# Allegro board 8880F5-0826_3.brd (continued)
## Placement (name value [footprint] x y rotation side) (continued)
NOREF#630  -  []  245.15 288.66 90 top
NOREF#631  -  []  250.73 205.56 0 top
NOREF#632  -  []  168.69 276.04 90 top
NOREF#633  -  []  210.86 201.29 90 top
NOREF#634  -  []  412.37 265.37 0 top
NOREF#635  -  []  229.51 186.66 0 top
NOREF#636  -  []  229.21 247.61 0 top
NOREF#637  -  []  167.7 178.86 90 top
NOREF#638  -  []  477.24 239.09 0 top
NOREF#639  -  []  306.92 146.05 0 top
NOREF#640  -  []  184.47 247.18 90 top
NOREF#641  -  []  392.47 272.56 90 top
NOREF#642  -  []  331.06 163.82 90 top
NOREF#643  -  []  381.74 265.11 0 top
NOREF#644  -  []  250.18 182.88 0 top
NOREF#645  -  []  250.49 223.52 90 top
NOREF#646  -  []  305.83 204.31 0 top
NOREF#647  -  []  388.35 217.36 0 top
NOREF#648  -  []  262.36 296.86 0 top
NOREF#649  -  []  414.82 297.12 0 top
NOREF#650  -  []  201.49 174.46 90 top
NOREF#651  -  []  470.71 183.57 90 top
NOREF#652  -  []  309.51 243.41 0 top
NOREF#653  -  []  101.82 287.84 90 top
NOREF#654  -  []  339.33 265.56 0 top
NOREF#655  -  []  473.79 196.21 0 top
NOREF#656  -  []  266.49 143.19 0 top
NOREF#657  -  []  468.01 214.96 0 top
NOREF#658  -  []  329.28 225.04 90 top
NOREF#659  -  []  209.23 195.52 90 top
NOREF#660  -  []  380.59 222.95 0 top
NOREF#661  -  []  175.8 201.79 90 top
NOREF#662  -  []  201.66 186.02 90 top
NOREF#663  -  []  332.51 265.56 0 top
NOREF#664  -  []  201.66 227.17 90 top
NOREF#665  -  []  248.33 247.93 0 top
NOREF#666  -  []  250.73 265.56 90 top
NOREF#667  -  []  387.39 249.11 0 top
NOREF#668  -  []  167.7 229.07 90 top
NOREF#669  -  []  318.3 164.74 90 top
NOREF#670  -  []  165.8 240.28 0 top
NOREF#671  -  []  383.09 257.11 0 top
NOREF#672  -  []  167.7 233.47 90 top
NOREF#673  -  []  326.43 288.41 90 top
NOREF#674  -  []  184.47 147.28 90 top
NOREF#675  -  []  106.36 190.55 0 top
NOREF#676  -  []  168.69 273.5 90 top
NOREF#677  -  []  218.13 274.06 90 top
NOREF#678  -  []  314.55 286.96 0 top
NOREF#679  -  []  310.43 186.34 0 top
NOREF#680  -  []  259.59 133.29 90 top
NOREF#681  -  []  259.33 265.56 0 top
NOREF#682  -  []  265.81 288.86 0 top
NOREF#683  -  []  223.15 271.32 90 top
NOREF#684  -  []  295.96 237.06 0 top
NOREF#685  -  []  377.48 289.17 90 top
NOREF#686  -  []  449.99 174.46 0 top
NOREF#687  -  []  352.55 249.5 0 top
NOREF#688  -  []  413.71 178.82 0 top
NOREF#689  -  []  375.73 193.43 90 top
NOREF#690  -  []  313.98 131.19 90 top
NOREF#691  -  []  413.71 148.15 90 top
NOREF#692  -  []  209.49 182.06 90 top
NOREF#693  -  []  285.71 280.1 0 top
NOREF#694  -  []  473.79 191.06 90 top
NOREF#695  -  []  342.36 165.04 90 top
NOREF#696  -  []  377.23 273.11 0 top
NOREF#697  -  []  211.11 146.93 90 top
NOREF#698  -  []  167.7 178.86 90 top
NOREF#699  -  []  93.76 287.84 90 top
NOREF#700  -  []  403.41 209.61 0 top
NOREF#701  -  []  423.61 188.92 90 top
NOREF#702  -  []  319.33 176.03 90 top
NOREF#703  -  []  399.67 131.89 0 top
NOREF#704  -  []  402.14 146.88 0 top
NOREF#705  -  []  177.33 133.47 90 top
NOREF#706  -  []  166.06 148.4 90 top
NOREF#707  -  []  380.59 271.21 0 top
NOREF#708  -  []  405.93 224.56 90 top
NOREF#709  -  []  260.6 286.96 90 top
NOREF#710  -  []  303.47 154.05 0 top
NOREF#711  -  []  376.23 209.11 0 top
NOREF#712  -  []  473.7 219.66 90 top
NOREF#713  -  []  251.62 205.56 0 top
NOREF#714  -  []  392.04 289.12 90 top
NOREF#715  -  []  308.36 262.16 45 top
NOREF#716  -  []  230.73 253.69 0 top
NOREF#717  -  []  259.33 205.56 0 top
NOREF#718  -  []  209.49 148.63 90 top
NOREF#719  -  []  451.68 239.34 0 top
NOREF#720  -  []  124.35 187.53 0 top
NOREF#721  -  []  124.1 231.22 0 top
NOREF#722  -  []  297.83 174.63 90 top
NOREF#723  -  []  377.23 241.16 90 top
NOREF#724  -  []  392.24 194.78 90 top
NOREF#725  -  []  182.82 203.01 90 top
NOREF#726  -  []  351.34 181.37 0 top
NOREF#727  -  []  167.7 206.29 90 top
NOREF#728  -  []  272.24 182.32 90 top
NOREF#729  -  []  209.23 216.45 90 top
NOREF#730  -  []  247.57 264.65 90 top
NOREF#731  -  []  167.7 165.4 90 top
NOREF#732  -  []  559.43 297.18 90 top
NOREF#733  -  []  201.21 273.5 90 top
NOREF#734  -  []  257.9 186.99 0 top
NOREF#735  -  []  230.41 188.88 90 top
NOREF#736  -  []  330.74 164.74 0 top
NOREF#737  -  []  271.04 241.69 0 top
NOREF#738  -  []  388.43 146.88 0 top
NOREF#739  -  []  289.01 272.1 0 top
NOREF#740  -  []  259.65 264.65 90 top
NOREF#741  -  []  256.45 224.74 0 top
NOREF#742  -  []  331.38 164.74 90 top
NOREF#743  -  []  423.61 182.42 90 top
NOREF#744  -  []  406.95 131.44 90 top
NOREF#745  -  []  399.39 161.74 0 top
NOREF#746  -  []  352.24 243.59 90 top
NOREF#747  -  []  451.68 239.34 0 top
NOREF#748  -  []  177.33 146.68 90 top
NOREF#749  -  []  419.73 131.89 90 top
NOREF#750  -  []  199.33 226.57 90 top
NOREF#751  -  []  106.03 217.88 90 top
NOREF#752  -  []  405.93 224.66 90 top
NOREF#753  -  []  351.04 189.82 0 top
NOREF#754  -  []  118.33 273.87 90 top
NOREF#755  -  []  300.01 288.41 90 top
NOREF#756  -  []  192.47 154.88 90 top
NOREF#757  -  []  229.51 189.2 0 top
NOREF#758  -  []  215.96 177.06 0 top
NOREF#759  -  []  424.55 146.88 90 top
NOREF#760  -  []  175.7 191.22 90 top
NOREF#761  -  []  201.4 254.6 90 top
NOREF#762  -  []  272.25 189.82 0 top
NOREF#763  -  []  177.33 173.86 90 top
NOREF#764  -  []  284.77 288.86 0 top
NOREF#765  -  []  239.33 236.03 0 top
NOREF#766  -  []  450.03 210.36 0 top
NOREF#767  -  []  343.63 163.82 90 top
NOREF#768  -  []  398.65 257.37 0 top
NOREF#769  -  []  298.16 237.06 0 top
NOREF#770  -  []  238.45 257.01 0 top
NOREF#771  -  []  184.47 260.9 90 top
NOREF#772  -  []  384.17 163.39 90 top
NOREF#773  -  []  298.13 214.06 90 top
NOREF#774  -  []  310.43 246.34 90 top
NOREF#775  -  []  116.27 178.64 0 top
NOREF#776  -  []  167.7 227.72 0 top
NOREF#777  -  []  396.28 146.93 90 top
NOREF#778  -  []  303.26 139.64 0 top
NOREF#779  -  []  184.47 244.98 90 top
NOREF#780  -  []  314.19 145.5 90 top
NOREF#781  -  []  385.19 273.11 0 top
NOREF#782  -  []  201.49 163.2 90 top
NOREF#783  -  []  165.8 171.96 0 top
NOREF#784  -  []  352.25 244.86 90 top
NOREF#785  -  []  249.85 224.72 0 top
NOREF#786  -  []  108.01 222.33 0 top
NOREF#787  -  []  415.61 181.32 90 top
NOREF#788  -  []  175.8 187.82 90 top
NOREF#789  -  []  331.62 205.56 90 top
NOREF#790  -  []  259.65 265.86 90 top
NOREF#791  -  []  495.08 259.9 90 top
NOREF#792  -  []  310.43 248.88 0 top
NOREF#793  -  []  168.13 172.56 90 top
NOREF#794  -  []  192.57 256.4 90 top
NOREF#795  -  []  336.45 164.74 0 top
NOREF#796  -  []  405.51 209.61 0 top
NOREF#797  -  []  263.71 288.86 0 top
NOREF#798  -  []  406.52 131.89 90 top
NOREF#799  -  []  383.09 224.85 0 top
NOREF#800  -  []  184.47 215.35 90 top
NOREF#801  -  []  84.04 290.38 90 top
NOREF#802  -  []  167.7 214 0 top
NOREF#803  -  []  247.57 264.65 90 top
NOREF#804  -  []  201.23 217.55 90 top
NOREF#805  -  []  113.08 129.54 0 top
NOREF#806  -  []  375.22 180.15 0 top
NOREF#807  -  []  352.24 241.05 90 top
NOREF#808  -  []  259.45 288.86 90 top
NOREF#809  -  []  387.08 154.88 0 top
NOREF#810  -  []  310.73 243.41 0 top
NOREF#811  -  []  184.89 227.17 90 top
NOREF#812  -  []  475.04 195.66 0 top
NOREF#813  -  []  235.85 288.61 90 top
NOREF#814  -  []  283.21 270.2 90 top
NOREF#815  -  []  332.61 288.86 0 top
NOREF#816  -  []  411.26 179.7 90 top
NOREF#817  -  []  201.23 200.54 0 top
NOREF#818  -  []  384.36 131.89 0 top
NOREF#819  -  []  118.7 195.7 0 top
NOREF#820  -  []  330.74 224.72 0 top
NOREF#821  -  []  304.61 131.64 0 top
NOREF#822  -  []  390.69 257.11 0 top
NOREF#823  -  []  396.55 273.11 0 top
NOREF#824  -  []  241.6 296.61 0 top
NOREF#825  -  []  337.9 186.99 0 top
NOREF#826  -  []  247.78 132.14 90 top
NOREF#827  -  []  378.33 257.11 90 top
NOREF#828  -  []  419.47 273.37 90 top
NOREF#829  -  []  378.75 240.66 90 top
NOREF#830  -  []  117.26 190.55 90 top
NOREF#831  -  []  230.43 186.34 90 top
NOREF#832  -  []  254.29 205.56 0 top
NOREF#833  -  []  251.54 192.73 90 top
NOREF#834  -  []  351.04 242.96 0 top
NOREF#835  -  []  475.04 195.66 0 top
NOREF#836  -  []  310.43 248.88 90 top
NOREF#837  -  []  400.85 233.11 0 top
NOREF#838  -  []  319.33 183.63 90 top
NOREF#839  -  []  424.05 163.64 90 top
NOREF#840  -  []  465.81 171.53 0 top
NOREF#841  -  []  328.96 224.72 0 top
NOREF#842  -  []  272.55 242.64 0 top
NOREF#843  -  []  301.56 182.89 0 top
NOREF#844  -  []  331.22 193.63 0 top
NOREF#845  -  []  247.89 204.35 90 top
NOREF#846  -  []  451.64 179.06 0 top
NOREF#847  -  []  237.66 224.72 0 top
NOREF#848  -  []  412.88 139.89 0 top
NOREF#849  -  []  182.57 254 90 top
NOREF#850  -  []  201.23 192.32 90 top
NOREF#851  -  []  465.81 214.96 0 top
NOREF#852  -  []  251.05 205.86 90 top
NOREF#853  -  []  419.9 288.57 90 top
NOREF#854  -  []  327.25 205.55 0 top
NOREF#855  -  []  238.3 288.61 0 top
NOREF#856  -  []  249.15 296.86 0 top
NOREF#857  -  []  272.25 182.96 0 top
NOREF#858  -  []  192.57 215.25 90 top
NOREF#859  -  []  127.99 214.79 0 top
NOREF#860  -  []  459.28 183.57 0 top
NOREF#861  -  []  478.57 291.28 90 top
NOREF#862  -  []  230.73 246.66 0 top
NOREF#863  -  []  300.11 273.24 90 top
NOREF#864  -  []  472.86 174.55 90 top
NOREF#865  -  []  118.7 195.7 0 top
NOREF#866  -  []  310.83 164.63 0 top
NOREF#867  -  []  167.7 256.5 90 top
NOREF#868  -  []  342.36 223.82 90 top
NOREF#869  -  []  400.85 281.11 0 top
NOREF#870  -  []  167.7 138.47 90 top
NOREF#871  -  []  485.36 259.9 90 top
NOREF#872  -  []  127.55 219.13 90 top
NOREF#873  -  []  230.43 246.34 0 top
NOREF#874  -  []  309.51 249.2 0 top
NOREF#875  -  []  251.62 204.35 90 top
NOREF#876  -  []  342.63 296.86 0 top
NOREF#877  -  []  250.17 225.04 90 top
NOREF#878  -  []  119.7 238.84 0 top
NOREF#879  -  []  304.82 146.05 0 top
NOREF#880  -  []  405.93 256.82 90 top
NOREF#881  -  []  277.17 288.86 0 top
NOREF#882  -  []  380.59 287.22 0 top
NOREF#883  -  []  165.8 158.5 90 top
NOREF#884  -  []  251.06 165.04 90 top
NOREF#885  -  []  84.04 287.84 90 top
NOREF#886  -  []  249.6 164.74 90 top
NOREF#887  -  []  346.69 128.87 90 top
NOREF#888  -  []  192.47 259.8 90 top
NOREF#889  -  []  98.53 238.84 0 top
NOREF#890  -  []  310.43 248.88 90 top
NOREF#891  -  []  105.83 190.55 90 top
NOREF#892  -  []  332.83 265.86 90 top
NOREF#893  -  []  410.27 257.37 0 top
NOREF#894  -  []  272.55 182.64 0 top
NOREF#895  -  []  425.7 144.98 90 top
NOREF#896  -  []  310.43 253.37 0 top
NOREF#897  -  []  327.25 264.35 90 top
NOREF#898  -  []  317.66 164.72 0 top
NOREF#899  -  []  340.83 234.63 90 top
NOREF#900  -  []  378.33 241.11 90 top
NOREF#901  -  []  119.7 231.22 0 top
NOREF#902  -  []  115.61 191.95 0 top
NOREF#903  -  []  376.23 209.11 0 top
NOREF#904  -  []  317.98 165.04 90 top
NOREF#905  -  []  318.45 257.01 0 top
NOREF#906  -  []  395.67 133.16 90 top
NOREF#907  -  []  310.41 186.34 90 top
NOREF#908  -  []  405.93 272.56 90 top
NOREF#909  -  []  229.05 211.67 0 top
NOREF#910  -  []  167.7 187.92 90 top
NOREF#911  -  []  192.47 205.19 90 top
NOREF#912  -  []  410.84 180.15 90 top
NOREF#913  -  []  263.95 223.52 90 top
NOREF#914  -  []  317.98 163.82 90 top
NOREF#915  -  []  122.41 178.64 0 top
NOREF#916  -  []  201.23 242.78 90 top
NOREF#917  -  []  465.31 186.77 0 top
NOREF#918  -  []  290.11 280.1 0 top
NOREF#919  -  []  263.85 273.37 90 top
NOREF#920  -  []  295.96 177.06 0 top
NOREF#921  -  []  118.7 217.73 90 top
NOREF#922  -  []  336.77 223.82 90 top
NOREF#923  -  []  192.47 246.08 90 top
NOREF#924  -  []  247.25 204.35 90 top
NOREF#925  -  []  322.23 173.13 90 top
NOREF#926  -  []  415.1 163.64 0 top
NOREF#927  -  []  343.95 163.52 90 top
NOREF#928  -  []  200.98 255.15 0 top
NOREF#929  -  []  336.77 163.82 90 top
NOREF#930  -  []  337.9 246.99 0 top
NOREF#931  -  []  201.91 159.1 90 top
NOREF#932  -  []  383.09 224.85 0 top
NOREF#933  -  []  463.61 179.15 0 top
NOREF#934  -  []  327.89 264.35 90 top
NOREF#935  -  []  201.49 178.86 90 top
NOREF#936  -  []  118.99 171.65 0 top
NOREF#937  -  []  352.25 244.23 0 top
NOREF#938  -  []  166.06 230.19 90 top
NOREF#939  -  []  253.4 204.35 90 top
NOREF#940  -  []  192.47 195.52 90 top
NOREF#941  -  []  331.94 264.65 90 top
NOREF#942  -  []  453.84 179.06 0 top
NOREF#943  -  []  418.37 241.16 90 top
NOREF#944  -  []  393.19 239.21 90 top
NOREF#945  -  []  230.41 243.09 90 top
NOREF#946  -  []  127.84 167.9 90 top
NOREF#947  -  []  318.32 131.64 0 top
NOREF#948  -  []  199.08 254 0 top
NOREF#949  -  []  460.93 225.6 90 top
NOREF#950  -  []  475.04 239.09 0 top
NOREF#951  -  []  107.02 179.19 0 top
NOREF#952  -  []  271.56 134.74 90 top
NOREF#953  -  []  11.6 261.68 90 top
NOREF#954  -  []  230.43 247.61 0 top
NOREF#955  -  []  381.2 226.12 90 top
NOREF#956  -  []  384.36 131.89 0 top
NOREF#957  -  []  400.34 194.68 90 top
NOREF#958  -  []  247.89 264.35 90 top
NOREF#959  -  []  273.59 272.15 90 top
NOREF#960  -  []  167.7 163.2 90 top
NOREF#961  -  []  367.13 271.21 0 top
NOREF#962  -  []  175.7 177.76 90 top
NOREF#963  -  []  228.36 262.16 45 top
NOREF#964  -  []  385.19 232.85 0 top
NOREF#965  -  []  184.47 204.09 90 top
NOREF#966  -  []  167.7 132.72 0 top
NOREF#967  -  []  247.57 204.65 90 top
NOREF#968  -  []  320.94 151.63 90 top
NOREF#969  -  []  423.2 146.88 0 top
NOREF#970  -  []  326.23 173.13 0 top
NOREF#971  -  []  391.8 217.36 0 top
NOREF#972  -  []  468.68 129.54 0 top
NOREF#973  -  []  518.38 276.41 90 top
NOREF#974  -  []  122.15 222.33 0 top
NOREF#975  -  []  339.33 265.55 0 top
NOREF#976  -  []  115.36 235.64 90 top
NOREF#977  -  []  451.68 214.96 0 top
NOREF#978  -  []  312.79 288.86 90 top
NOREF#979  -  []  184.47 241.43 90 top
NOREF#980  -  []  375.22 163.39 0 top
NOREF#981  -  []  229.21 243.09 0 top
NOREF#982  -  []  263.31 164.74 0 top
NOREF#983  -  []  120.24 171.1 0 top
NOREF#984  -  []  403.99 180.15 0 top
NOREF#985  -  []  167.7 241.43 90 top
NOREF#986  -  []  396.55 289.12 0 top
NOREF#987  -  []  382.82 163.39 0 top
NOREF#988  -  []  229.51 246.66 0 top
NOREF#989  -  []  456.08 186.77 0 top
NOREF#990  -  []  115.61 211.51 90 top
NOREF#991  -  []  250.73 264.35 90 top
NOREF#992  -  []  410.52 241.11 0 top
NOREF#993  -  []  230.83 224.63 0 top
NOREF#994  -  []  390.53 188.15 0 top
NOREF#995  -  []  199.59 171.96 0 top
NOREF#996  -  []  182.57 158.5 0 top
NOREF#997  -  []  215.96 188.49 0 top
NOREF#998  -  []  208.98 259.8 90 top
NOREF#999  -  []  511.59 259.9 90 top
NOREF#1000  -  []  271.04 181.69 0 top
NOREF#1001  -  []  309.21 243.09 0 top
NOREF#1002  -  []  251.05 264.65 90 top
NOREF#1003  -  []  119.7 238.84 0 top
NOREF#1004  -  []  128.24 171.1 0 top
NOREF#1005  -  []  351.04 184.23 0 top
NOREF#1006  -  []  481.96 276.41 90 top
NOREF#1007  -  []  419.22 257.37 90 top
NOREF#1008  -  []  376.98 257.11 0 top
NOREF#1009  -  []  257.09 164.74 90 top
NOREF#1010  -  []  402.06 217.61 0 top
NOREF#1011  -  []  299.81 273.69 90 top
NOREF#1012  -  []  184.89 240.88 90 top
NOREF#1013  -  []  297.41 213.24 0 top
NOREF#1014  -  []  376.23 209.11 0 top
NOREF#1015  -  []  250.17 163.82 90 top
NOREF#1016  -  []  518.38 259.9 90 top
NOREF#1017  -  []  369.38 241.11 0 top
NOREF#1018  -  []  396.55 225.11 0 top
NOREF#1019  -  []  394.66 290.39 90 top
NOREF#1020  -  []  401.87 139.89 0 top
NOREF#1021  -  []  249.6 224.74 90 top
NOREF#1022  -  []  373.68 232.6 0 top
NOREF#1023  -  []  241.82 167.13 90 top
NOREF#1024  -  []  387.39 281.11 0 top
NOREF#1025  -  []  320.83 194.63 0 top
NOREF#1026  -  []  310.43 193.37 0 top
NOREF#1027  -  []  328.33 187.93 0 top
NOREF#1028  -  []  410.78 131.89 0 top
NOREF#1029  -  []  118.74 215.34 0 top
NOREF#1030  -  []  237.66 164.74 0 top
NOREF#1031  -  []  112.67 171.02 0 top
NOREF#1032  -  []  327.7 131.09 90 top
NOREF#1033  -  []  194.09 201.29 90 top
NOREF#1034  -  []  271.34 249.5 0 top
NOREF#1035  -  []  397.8 179.7 90 top
NOREF#1036  -  []  342.04 224.72 0 top
NOREF#1037  -  []  403.99 171.64 0 top
NOREF#1038  -  []  478.57 259.9 90 top
NOREF#1039  -  []  230.41 247.61 90 top
NOREF#1040  -  []  94.68 234.24 0 top
NOREF#1041  -  []  127.55 191.95 90 top
NOREF#1042  -  []  184.47 176.66 90 top
NOREF#1043  -  []  472.86 210.36 90 top
NOREF#1044  -  []  405.42 131.94 90 top
NOREF#1045  -  []  404.4 225.16 90 top
NOREF#1046  -  []  298.13 274.06 90 top
NOREF#1047  -  []  272.25 181.05 90 top
NOREF#1048  -  []  201.21 290.01 90 top
NOREF#1049  -  []  103.93 235.64 0 top
NOREF#1050  -  []  272.25 185.5 0 top
NOREF#1051  -  []  387.8 210.63 90 top
NOREF#1052  -  []  184.47 258.7 90 top
NOREF#1053  -  []  414.82 281.37 0 top
NOREF#1054  -  []  184.47 165.4 90 top
NOREF#1055  -  []  271.04 184.23 0 top
NOREF#1056  -  []  343.98 288.86 0 top
NOREF#1057  -  []  390.34 192.28 90 top
NOREF#1058  -  []  384.17 180.15 90 top
NOREF#1059  -  []  334.61 264.65 90 top
NOREF#1060  -  []  127.7 231.22 0 top
NOREF#1061  -  []  257.08 132.19 90 top
NOREF#1062  -  []  253.4 265.56 90 top
NOREF#1063  -  []  423.61 184.62 90 top
NOREF#1064  -  []  329.6 224.74 90 top
NOREF#1065  -  []  385.36 194.18 90 top
NOREF#1066  -  []  175.7 250.38 90 top
NOREF#1067  -  []  319.15 288.86 0 top
NOREF#1068  -  []  310.43 247.61 90 top
NOREF#1069  -  []  451.68 230.2 0 top
NOREF#1070  -  []  230.43 193.37 90 top
NOREF#1071  -  []  309.51 186.66 0 top
NOREF#1072  -  []  256.73 132.14 0 top
NOREF#1073  -  []  110.21 214.71 0 top
NOREF#1074  -  []  184.47 186.57 90 top
NOREF#1075  -  []  384.59 179.6 90 top
NOREF#1076  -  []  209.59 147.43 90 top
NOREF#1077  -  []  175.7 137.37 90 top
NOREF#1078  -  []  254.61 265.86 90 top
NOREF#1079  -  []  115.61 191.95 90 top
NOREF#1080  -  []  415.6 146.88 0 top
NOREF#1081  -  []  463.61 222.58 0 top
NOREF#1082  -  []  377.48 273.16 90 top
NOREF#1083  -  []  107.02 174.04 90 top
NOREF#1084  -  []  369.38 241.11 0 top
NOREF#1085  -  []  201.91 145.63 90 top
NOREF#1086  -  []  346.27 129.42 0 top
NOREF#1087  -  []  106.11 234.24 0 top
NOREF#1088  -  []  313.94 286.96 90 top
NOREF#1089  -  []  105.58 234.24 90 top
NOREF#1090  -  []  413.96 182.44 90 top
NOREF#1091  -  []  271.04 182.96 0 top
NOREF#1092  -  []  460.93 234.74 90 top
NOREF#1093  -  []  329.28 223.82 90 top
NOREF#1094  -  []  184.47 219.75 90 top
NOREF#1095  -  []  218.16 177.06 0 top
NOREF#1096  -  []  238.3 163.52 90 top
NOREF#1097  -  []  352.25 242.96 0 top
NOREF#1098  -  []  251.06 223.82 90 top
NOREF#1099  -  []  184.89 159.1 90 top
NOREF#1100  -  []  265.39 135.19 0 top
NOREF#1101  -  []  215.96 237.06 0 top
NOREF#1102  -  []  313.77 146.05 90 top
NOREF#1103  -  []  247.25 265.55 0 top
NOREF#1104  -  []  192.47 232.37 90 top
NOREF#1105  -  []  272.25 184.86 90 top
NOREF#1106  -  []  410.52 289.12 0 top
NOREF#1107  -  []  351.04 182.96 0 top
NOREF#1108  -  []  253.72 204.65 90 top
NOREF#1109  -  []  271.56 288.91 90 top
NOREF#1110  -  []  221.56 250.49 0 top
NOREF#1111  -  []  201.23 206.29 90 top
NOREF#1112  -  []  394.05 287.22 0 top
NOREF#1113  -  []  451.68 230.2 0 top
NOREF#1114  -  []  184.47 178.86 90 top
NOREF#1115  -  []  470.79 128.27 0 top
NOREF#1116  -  []  275.12 271.65 90 top
NOREF#1117  -  []  329.6 164.74 90 top
NOREF#1118  -  []  461.96 166.93 0 top
NOREF#1119  -  []  264.72 272.65 90 top
NOREF#1120  -  []  192.47 168.6 90 top
NOREF#1121  -  []  209.08 256.4 90 top
NOREF#1122  -  []  331.94 205.86 90 top
NOREF#1123  -  []  258.2 186.67 0 top
NOREF#1124  -  []  401.87 194.18 90 top
NOREF#1125  -  []  107.02 166.42 90 top
NOREF#1126  -  []  127.59 211.59 90 top
NOREF#1127  -  []  263.31 164.72 0 top
NOREF#1128  -  []  409.99 146.93 90 top
NOREF#1129  -  []  260.83 174.63 90 top
NOREF#1130  -  []  320.83 254.63 0 top
NOREF#1131  -  []  407.77 255.47 0 top
NOREF#1132  -  []  175.7 135.17 90 top
NOREF#1133  -  []  328.33 247.93 0 top
NOREF#1134  -  []  453.88 230.2 0 top
NOREF#1135  -  []  116.01 222.33 0 top
NOREF#1136  -  []  415.6 146.88 0 top
NOREF#1137  -  []  199.33 226.57 0 top
NOREF#1138  -  []  253.4 265.56 0 top
NOREF#1139  -  []  192.47 150.58 90 top
NOREF#1140  -  []  209.33 228.97 90 top
NOREF#1141  -  []  124.35 222.33 0 top
NOREF#1142  -  []  410.84 163.64 90 top
NOREF#1143  -  []  175.7 168.6 90 top
NOREF#1144  -  []  373.83 192.28 0 top
NOREF#1145  -  []  300.36 248.49 0 top
NOREF#1146  -  []  240.94 151.63 90 top
NOREF#1147  -  []  283.21 282 0 top
NOREF#1148  -  []  281.47 296.86 0 top
NOREF#1149  -  []  104.18 191.95 90 top
NOREF#1150  -  []  201.66 199.99 90 top
NOREF#1151  -  []  167.7 247.18 90 top
NOREF#1152  -  []  184.47 187.92 90 top
NOREF#1153  -  []  271.34 245.18 0 top
NOREF#1154  -  []  182.82 175.58 90 top
NOREF#1155  -  []  106.76 222.88 0 top
NOREF#1156  -  []  253.72 205.86 90 top
NOREF#1157  -  []  330.73 204.35 90 top
NOREF#1158  -  []  230.43 186.34 0 top
NOREF#1159  -  []  201.23 192.32 90 top
NOREF#1160  -  []  215.96 248.49 0 top
NOREF#1161  -  []  259.33 204.35 90 top
NOREF#1162  -  []  381.74 232.85 0 top
NOREF#1163  -  []  166.06 189.04 90 top
NOREF#1164  -  []  283.91 273.37 90 top
NOREF#1165  -  []  320.42 139.64 0 top
NOREF#1166  -  []  201.23 241.43 0 top
NOREF#1167  -  []  528.1 257.36 90 top
NOREF#1168  -  []  184.47 206.29 90 top
NOREF#1169  -  []  175.8 256.4 90 top
NOREF#1170  -  []  201.49 165.4 90 top
NOREF#1171  -  []  495.08 274.77 90 top
NOREF#1172  -  []  177.33 242.18 90 top
NOREF#1173  -  []  271.04 242.96 0 top
NOREF#1174  -  []  252.51 265.55 0 top
NOREF#1175  -  []  346.27 135.17 90 top
NOREF#1176  -  []  408.28 129.99 0 top
NOREF#1177  -  []  401.89 180.15 0 top
NOREF#1178  -  []  415.61 179.97 90 top
NOREF#1179  -  []  310.43 253.37 90 top
NOREF#1180  -  []  251.38 163.52 90 top
NOREF#1181  -  []  282.9 147.38 0 top
NOREF#1182  -  []  168.13 145.38 90 top
NOREF#1183  -  []  424.98 146.43 90 top
NOREF#1184  -  []  329.85 164.72 0 top
NOREF#1185  -  []  310.41 188.88 90 top
NOREF#1186  -  []  271.04 249.82 0 top
NOREF#1187  -  []  230.83 164.63 0 top
NOREF#1188  -  []  352.55 241.37 0 top
NOREF#1189  -  []  184.47 260.9 90 top
NOREF#1190  -  []  184.47 233.47 90 top
NOREF#1191  -  []  343.31 224.74 0 top
NOREF#1192  -  []  209.49 162.1 90 top
NOREF#1193  -  []  518.38 257.36 90 top
NOREF#1194  -  []  337.09 224.74 90 top
NOREF#1195  -  []  272.55 245.18 0 top
NOREF#1196  -  []  167.7 260.9 90 top
NOREF#1197  -  []  272.24 189.18 90 top
NOREF#1198  -  []  379.01 272.66 90 top
NOREF#1199  -  []  468.85 259.9 90 top
NOREF#1200  -  []  336.77 225.04 90 top
NOREF#1201  -  []  295.96 248.49 0 top
NOREF#1202  -  []  272.24 181.05 90 top
NOREF#1203  -  []  424.47 163.09 90 top
NOREF#1204  -  []  330.17 163.82 90 top
NOREF#1205  -  []  250.49 164.74 90 top
NOREF#1206  -  []  112.67 178.64 0 top
NOREF#1207  -  []  168.13 254.6 90 top
NOREF#1208  -  []  177.33 214.75 90 top
NOREF#1209  -  []  383.09 241.11 0 top
NOREF#1210  -  []  263.19 135.19 0 top
NOREF#1211  -  []  167.7 151.68 90 top
NOREF#1212  -  []  127.95 187.53 0 top
NOREF#1213  -  []  475.36 127 90 top
NOREF#1214  -  []  234.7 286.71 90 top
NOREF#1215  -  []  127.55 184.33 90 top
NOREF#1216  -  []  98.78 195.15 0 top
NOREF#1217  -  []  485.36 292.02 90 top
NOREF#1218  -  []  297.71 276.09 0 top
NOREF#1219  -  []  385.93 178.25 0 top
NOREF#1220  -  []  217.71 276.09 0 top
NOREF#1221  -  []  344.62 131.89 90 top
NOREF#1222  -  []  449.99 174.46 0 top
NOREF#1223  -  []  309.21 248.88 0 top
NOREF#1224  -  []  239.33 236.03 90 top
NOREF#1225  -  []  310.43 187.61 0 top
NOREF#1226  -  []  331.54 252.73 90 top
NOREF#1227  -  []  266.49 143.19 0 top
NOREF#1228  -  []  343.95 223.52 90 top
NOREF#1229  -  []  286.81 272.1 0 top
NOREF#1230  -  []  247.25 205.55 0 top
NOREF#1231  -  []  392.04 273.11 90 top
NOREF#1232  -  []  261.82 290.13 90 top
NOREF#1233  -  []  371.73 273.11 0 top
NOREF#1234  -  []  368.03 232.6 0 top
NOREF#1235  -  []  346.27 129.42 90 top
NOREF#1236  -  []  463.11 230.2 0 top
NOREF#1237  -  []  351.34 242.64 0 top
NOREF#1238  -  []  412.62 297.12 0 top
NOREF#1239  -  []  209.23 202.99 90 top
NOREF#1240  -  []  226.44 294.64 90 top
NOREF#1241  -  []  254.29 265.56 90 top
NOREF#1242  -  []  119.95 222.33 0 top
NOREF#1243  -  []  459.28 211.76 90 top
NOREF#1244  -  []  184.47 231.27 90 top
NOREF#1245  -  []  272.25 189.18 90 top
NOREF#1246  -  []  167.7 260.9 90 top
NOREF#1247  -  []  218.13 214.06 0 top
NOREF#1248  -  []  229.21 188.88 0 top
NOREF#1249  -  []  417.2 171.64 0 top
NOREF#1250  -  []  463.61 214.96 0 top
NOREF#1251  -  []  415.61 179.97 0 top
NOREF#1252  -  []  482.64 235.89 90 top
NOREF#1253  -  []  383.09 289.12 0 top
NOREF#1254  -  []  66.26 271.33 90 top
NOREF#1255  -  []  368.28 281.11 0 top
NOREF#1256  -  []  272.24 242.32 90 top
NOREF#1257  -  []  390.94 224.9 90 top
NOREF#1258  -  []  108.27 171.02 0 top
NOREF#1259  -  []  119.95 195.15 0 top
NOREF#1260  -  []  459.28 168.33 0 top
NOREF#1261  -  []  389.7 209.36 0 top
NOREF#1262  -  []  304.82 146.05 0 top
NOREF#1263  -  []  209.23 205.19 90 top
NOREF#1264  -  []  351.34 241.37 0 top
NOREF#1265  -  []  297.71 216.09 0 top
NOREF#1266  -  []  192.57 201.79 90 top
NOREF#1267  -  []  384.59 162.84 90 top
NOREF#1268  -  []  317.05 288.86 0 top
NOREF#1269  -  []  112.16 238.84 0 top
NOREF#1270  -  []  230.43 188.88 0 top
NOREF#1271  -  []  215.96 188.49 0 top
NOREF#1272  -  []  381.2 290.39 90 top
NOREF#1273  -  []  251.38 164.74 90 top
NOREF#1274  -  []  247.25 265.56 0 top
NOREF#1275  -  []  118.96 179.19 0 top
NOREF#1276  -  []  369.38 257.11 0 top
NOREF#1277  -  []  172.08 289.11 90 top
NOREF#1278  -  []  221.56 179.06 0 top
NOREF#1279  -  []  453.88 195.91 0 top
NOREF#1280  -  []  117.33 247.35 90 top
NOREF#1281  -  []  107.18 246.83 90 top
NOREF#1282  -  []  419.9 288.67 90 top
NOREF#1283  -  []  263.95 164.74 90 top
NOREF#1284  -  []  396.55 273.11 0 top
NOREF#1285  -  []  230.43 187.61 90 top
NOREF#1286  -  []  242.23 173.13 90 top
NOREF#1287  -  []  277.17 288.86 0 top
NOREF#1288  -  []  199.59 145.03 90 top
NOREF#1289  -  []  341.63 233.83 90 top
NOREF#1290  -  []  459.24 175.86 90 top
NOREF#1291  -  []  420.37 255.47 90 top
NOREF#1292  -  []  381.74 281.11 0 top
NOREF#1293  -  []  304.65 271.67 0 top
NOREF#1294  -  []  218.16 237.06 0 top
NOREF#1295  -  []  254.29 205.55 0 top
NOREF#1296  -  []  310.41 243.09 90 top
NOREF#1297  -  []  104.18 191.95 0 top
NOREF#1298  -  []  115.61 219.13 90 top
NOREF#1299  -  []  369.38 257.11 0 top
NOREF#1300  -  []  371.48 224.6 0 top
NOREF#1301  -  []  392.47 256.56 90 top
NOREF#1302  -  []  379.48 222.7 90 top
NOREF#1303  -  []  459.28 192.71 90 top
NOREF#1304  -  []  308.36 202.16 45 top
NOREF#1305  -  []  284.36 272.1 90 top
NOREF#1306  -  []  528.1 276.41 90 top
NOREF#1307  -  []  463.61 214.96 0 top
NOREF#1308  -  []  272.55 185.18 0 top
NOREF#1309  -  []  368.03 249.11 0 top
NOREF#1310  -  []  461.86 182.17 90 top
NOREF#1311  -  []  390.69 224.85 0 top
NOREF#1312  -  []  367.73 290.39 90 top
NOREF#1313  -  []  327.25 265.55 0 top
NOREF#1314  -  []  401.89 163.64 0 top
NOREF#1315  -  []  317.66 164.74 0 top
NOREF#1316  -  []  167.7 176.66 90 top
NOREF#1317  -  []  328.62 290.13 90 top
NOREF#1318  -  []  107.76 238.84 0 top
NOREF#1319  -  []  471.21 168.33 0 top
NOREF#1320  -  []  297.83 234.63 90 top
NOREF#1321  -  []  383.09 241.11 0 top
NOREF#1322  -  []  106.11 234.24 0 top
NOREF#1323  -  []  395.2 297.12 0 top
NOREF#1324  -  []  465.45 290.38 90 top
NOREF#1325  -  []  259.65 205.86 90 top
NOREF#1326  -  []  310.43 243.09 90 top
NOREF#1327  -  []  456.08 239.34 0 top
NOREF#1328  -  []  240.94 211.63 90 top
NOREF#1329  -  []  319.33 236.03 0 top
NOREF#1330  -  []  387.2 207.46 0 top
NOREF#1331  -  []  379.01 288.67 90 top
NOREF#1332  -  []  463.11 186.77 0 top
NOREF#1333  -  []  423.71 181.22 90 top
NOREF#1334  -  []  396.22 139.89 0 top
NOREF#1335  -  []  257.09 223.52 90 top
NOREF#1336  -  []  383.09 289.12 0 top
NOREF#1337  -  []  315.82 129.74 0 top
NOREF#1338  -  []  310.43 246.34 0 top
NOREF#1339  -  []  371.73 281.11 0 top
NOREF#1340  -  []  385.19 297.12 0 top
NOREF#1341  -  []  387.39 232.85 0 top
NOREF#1342  -  []  392.47 224.3 90 top
NOREF#1343  -  []  401.89 163.64 0 top
NOREF#1344  -  []  373.87 171.39 0 top
NOREF#1345  -  []  268.01 296.86 0 top
NOREF#1346  -  []  310.43 243.09 0 top
NOREF#1347  -  []  378.33 209.11 0 top
NOREF#1348  -  []  101.29 247.16 90 top
NOREF#1349  -  []  418.38 131.89 0 top
NOREF#1350  -  []  395.2 233.11 0 top
NOREF#1351  -  []  209.49 168.6 90 top
NOREF#1352  -  []  467.51 186.77 0 top
NOREF#1353  -  []  182.57 171.96 90 top
NOREF#1354  -  []  459.28 183.57 90 top
NOREF#1355  -  []  175.7 182.06 90 top
NOREF#1356  -  []  409.74 163.69 90 top
NOREF#1357  -  []  459.24 219.3 0 top
NOREF#1358  -  []  249.85 224.74 0 top
NOREF#1359  -  []  237.98 223.82 90 top
NOREF#1360  -  []  285.02 288.91 90 top
NOREF#1361  -  []  273.24 272.1 0 top
NOREF#1362  -  []  251.62 265.55 0 top
NOREF#1363  -  []  333.4 205.56 0 top
NOREF#1364  -  []  303.56 185.29 90 top
NOREF#1365  -  []  256.77 163.82 90 top
NOREF#1366  -  []  127.95 222.33 0 top
NOREF#1367  -  []  247.57 205.86 90 top
NOREF#1368  -  []  201.23 214 90 top
NOREF#1369  -  []  292.74 296.86 0 top
NOREF#1370  -  []  328.01 286.96 0 top
NOREF#1371  -  []  408.63 274.64 90 top
NOREF#1372  -  []  339.33 204.35 90 top
NOREF#1373  -  []  340.83 174.63 90 top
NOREF#1374  -  []  388.43 180.15 0 top
NOREF#1375  -  []  230.41 193.37 90 top
NOREF#1376  -  []  166.06 175.58 90 top
NOREF#1377  -  []  251.05 204.65 90 top
NOREF#1378  -  []  398.53 161.74 90 top
NOREF#1379  -  []  342.04 224.74 0 top
NOREF#1380  -  []  175.8 242.68 90 top
NOREF#1381  -  []  93.76 271.33 90 top
NOREF#1382  -  []  230.43 183.09 90 top
NOREF#1383  -  []  155.57 291.65 90 top
NOREF#1384  -  []  124.1 238.84 0 top
NOREF#1385  -  []  295.96 237.06 0 top
NOREF#1386  -  []  182.57 226.57 0 top
NOREF#1387  -  []  331.05 204.65 90 top
NOREF#1388  -  []  254.61 264.65 90 top
NOREF#1389  -  []  400.24 198.08 90 top
NOREF#1390  -  []  192.57 160.9 90 top
NOREF#1391  -  []  239.33 176.03 0 top
NOREF#1392  -  []  459.28 192.71 0 top
NOREF#1393  -  []  256.45 224.72 0 top
NOREF#1394  -  []  230.41 253.37 90 top
NOREF#1395  -  []  199.59 189.04 90 top
NOREF#1396  -  []  328.96 164.74 0 top
NOREF#1397  -  []  331.38 223.52 90 top
NOREF#1398  -  []  413.75 171.64 0 top
NOREF#1399  -  []  479.44 195.66 0 top
NOREF#1400  -  []  209.23 230.17 90 top
NOREF#1401  -  []  317.66 224.72 0 top
NOREF#1402  -  []  309.21 247.61 0 top
NOREF#1403  -  []  167.7 192.32 90 top
NOREF#1404  -  []  250.73 205.55 0 top
NOREF#1405  -  []  320.94 211.63 90 top
NOREF#1406  -  []  118.33 271.33 90 top
NOREF#1407  -  []  478.57 274.77 90 top
NOREF#1408  -  []  301.56 239.06 0 top
NOREF#1409  -  []  333.72 265.86 90 top
NOREF#1410  -  []  334.81 296.86 0 top
NOREF#1411  -  []  394.05 255.47 0 top
NOREF#1412  -  []  405.93 240.56 90 top
NOREF#1413  -  []  393.19 271.21 90 top
NOREF#1414  -  []  354.37 130.67 90 top
NOREF#1415  -  []  272.25 245.5 0 top
NOREF#1416  -  []  251.54 252.73 90 top
NOREF#1417  -  []  175.7 222.95 90 top
NOREF#1418  -  []  166.06 162.12 90 top
NOREF#1419  -  []  461.86 230.75 0 top
NOREF#1420  -  []  216.96 192.14 0 top
NOREF#1421  -  []  254.8 296.86 0 top
NOREF#1422  -  []  250.74 224.72 0 top
NOREF#1423  -  []  254.61 205.86 90 top
NOREF#1424  -  []  182.82 257.62 90 top
NOREF#1425  -  []  199.08 254 90 top
NOREF#1426  -  []  258.1 288.86 0 top
NOREF#1427  -  []  209.49 150.83 90 top
NOREF#1428  -  []  284.36 280.1 0 top
NOREF#1429  -  []  297.41 213.24 90 top
NOREF#1430  -  []  286.12 288.86 90 top
NOREF#1431  -  []  461.96 210.36 0 top
NOREF#1432  -  []  118.45 234.24 90 top
NOREF#1433  -  []  100.73 238.84 0 top
NOREF#1434  -  []  182.82 216.47 90 top
NOREF#1435  -  []  120.21 178.64 0 top
NOREF#1436  -  []  528.1 259.9 90 top
NOREF#1437  -  []  115.87 175.44 90 top
NOREF#1438  -  []  118.45 226.62 90 top
NOREF#1439  -  []  385.93 144.98 0 top
NOREF#1440  -  []  209.23 250.38 90 top
NOREF#1441  -  []  237.57 209.63 90 top
NOREF#1442  -  []  353.35 288.41 90 top
NOREF#1443  -  []  248.21 132.69 90 top
NOREF#1444  -  []  36.1 129.71 90 top
NOREF#1445  -  []  192.57 147.18 90 top
NOREF#1446  -  []  463.61 171.53 0 top
NOREF#1447  -  []  165.8 212.85 0 top
NOREF#1448  -  []  407.71 217.61 0 top
NOREF#1449  -  []  419.9 272.92 90 top
NOREF#1450  -  []  253.53 140.14 0 top
NOREF#1451  -  []  339.33 205.56 90 top
NOREF#1452  -  []  478.57 277.31 90 top
NOREF#1453  -  []  119.99 214.79 0 top
NOREF#1454  -  []  273.09 288.31 90 top
NOREF#1455  -  []  388.43 163.64 0 top
NOREF#1456  -  []  118.96 174.04 90 top
NOREF#1457  -  []  309.51 189.2 0 top
NOREF#1458  -  []  257.9 246.99 0 top
NOREF#1459  -  []  302.92 147.32 90 top
NOREF#1460  -  []  286.55 288.41 90 top
NOREF#1461  -  []  333.4 265.56 90 top
NOREF#1462  -  []  451.64 179.06 0 top
NOREF#1463  -  []  352.25 185.5 0 top
NOREF#1464  -  []  390.53 146.88 0 top
NOREF#1465  -  []  182.57 226.57 90 top
NOREF#1466  -  []  453.84 222.5 0 top
NOREF#1467  -  []  223.15 211.32 90 top
NOREF#1468  -  []  217.41 273.24 90 top
NOREF#1469  -  []  219.76 297.18 0 top
NOREF#1470  -  []  414.25 154.88 0 top
NOREF#1471  -  []  272.24 243.59 90 top
NOREF#1472  -  []  342.04 164.74 0 top
NOREF#1473  -  []  237.98 225.04 90 top
NOREF#1474  -  []  155.57 272.6 90 top
NOREF#1475  -  []  461.96 210.36 0 top
NOREF#1476  -  []  201.23 227.72 0 top
NOREF#1477  -  []  218.13 214.06 90 top
NOREF#1478  -  []  341.63 255.43 90 top
NOREF#1479  -  []  199.33 185.42 0 top
NOREF#1480  -  []  200.98 258.7 90 top
NOREF#1481  -  []  339.33 265.55 0 top
NOREF#1482  -  []  368.03 265.11 0 top
NOREF#1483  -  []  377.32 188.15 0 top
NOREF#1484  -  []  96.33 238.84 0 top
NOREF#1485  -  []  298.49 288.91 90 top
NOREF#1486  -  []  107.02 171.57 0 top
NOREF#1487  -  []  165.8 158.5 0 top
NOREF#1488  -  []  267.84 280.1 0 top
NOREF#1489  -  []  388.43 146.88 0 top
NOREF#1490  -  []  217.41 213.24 90 top
NOREF#1491  -  []  326 288.86 90 top
NOREF#1492  -  []  211.11 173.86 90 top
NOREF#1493  -  []  258.2 246.67 0 top
NOREF#1494  -  []  263.83 231.63 90 top
NOREF#1495  -  []  310.43 188.88 0 top
NOREF#1496  -  []  229.21 193.37 0 top
NOREF#1497  -  []  199.84 175.58 90 top
NOREF#1498  -  []  333.4 265.55 0 top
NOREF#1499  -  []  262.04 224.72 0 top
NOREF#1500  -  []  412.37 257.37 0 top
NOREF#1501  -  []  343.98 288.86 0 top
NOREF#1502  -  []  261.63 173.83 90 top
NOREF#1503  -  []  304.61 131.64 0 top
NOREF#1504  -  []  331.54 192.73 90 top
NOREF#1505  -  []  250.5 288.86 0 top
NOREF#1506  -  []  471.21 175.95 90 top
NOREF#1507  -  []  332.51 205.56 0 top
NOREF#1508  -  []  408.02 287.22 0 top
NOREF#1509  -  []  329.85 224.74 0 top
NOREF#1510  -  []  201.49 173.11 90 top
NOREF#1511  -  []  465.81 222.58 0 top
NOREF#1512  -  []  342.68 224.74 90 top
NOREF#1513  -  []  124.35 195.15 0 top
NOREF#1514  -  []  419.47 289.12 90 top
NOREF#1515  -  []  293.66 272.15 90 top
NOREF#1516  -  []  182.82 243.9 90 top
NOREF#1517  -  []  418.37 289.17 90 top
NOREF#1518  -  []  251.06 163.82 90 top
NOREF#1519  -  []  175.7 209.49 90 top
NOREF#1520  -  []  101.82 271.33 90 top
NOREF#1521  -  []  192.47 175.56 90 top
NOREF#1522  -  []  462.06 291.28 90 top
NOREF#1523  -  []  201.49 149.73 90 top
NOREF#1524  -  []  401.52 210.88 90 top
NOREF#1525  -  []  259.33 265.55 0 top
NOREF#1526  -  []  410.52 241.11 0 top
NOREF#1527  -  []  338.2 186.67 0 top
NOREF#1528  -  []  410.52 273.37 0 top
NOREF#1529  -  []  401.89 163.64 0 top
NOREF#1530  -  []  234.33 228.13 90 top
NOREF#1531  -  []  352.25 241.69 0 top
NOREF#1532  -  []  199.33 185.42 90 top
NOREF#1533  -  []  199.33 199.39 90 top
NOREF#1534  -  []  351.34 182.64 0 top
NOREF#1535  -  []  317.66 224.74 0 top
NOREF#1536  -  []  194.09 255.9 90 top
NOREF#1537  -  []  314.71 129.74 90 top
NOREF#1538  -  []  182.57 185.42 90 top
NOREF#1539  -  []  175.8 133.97 90 top
NOREF#1540  -  []  317.83 257.63 0 top
NOREF#1541  -  []  250.74 224.74 0 top
NOREF#1542  -  []  528.1 273.87 90 top
NOREF#1543  -  []  201.23 247.18 90 top
NOREF#1544  -  []  330.17 225.04 90 top
NOREF#1545  -  []  415.61 185.72 90 top
NOREF#1546  -  []  184.47 186.57 0 top
NOREF#1547  -  []  272.25 241.05 90 top
NOREF#1548  -  []  119.76 127 90 top
NOREF#1549  -  []  352.55 183.91 0 top
NOREF#1550  -  []  339.33 205.56 0 top
NOREF#1551  -  []  301.34 286.96 0 top
NOREF#1552  -  []  339.89 288.31 90 top
NOREF#1553  -  []  468.01 179.15 0 top
NOREF#1554  -  []  310.73 246.66 0 top
NOREF#1555  -  []  329.85 224.72 0 top
NOREF#1556  -  []  263.14 270.2 90 top
NOREF#1557  -  []  192.47 264.1 90 top
NOREF#1558  -  []  459.24 175.86 0 top
NOREF#1559  -  []  330.51 288.86 0 top
NOREF#1560  -  []  471.21 219.38 0 top
NOREF#1561  -  []  311.69 288.91 90 top
NOREF#1562  -  []  251.38 223.52 90 top
NOREF#1563  -  []  184.47 229.07 90 top
NOREF#1564  -  []  263.95 163.52 90 top
NOREF#1565  -  []  327.57 204.65 90 top
NOREF#1566  -  []  415.6 146.88 0 top
NOREF#1567  -  []  155.57 275.14 90 top
NOREF#1568  -  []  303.56 233.86 90 top
NOREF#1569  -  []  468.85 257.36 90 top
NOREF#1570  -  []  404.4 241.16 90 top
NOREF#1571  -  []  184.89 145.38 90 top
NOREF#1572  -  []  262.04 164.72 0 top
NOREF#1573  -  []  419.9 240.56 90 top
NOREF#1574  -  []  118.45 231.77 0 top
NOREF#1575  -  []  309.05 211.67 0 top
NOREF#1576  -  []  410.52 273.37 0 top
NOREF#1577  -  []  448.94 273.87 90 top
NOREF#1578  -  []  247.57 265.86 90 top
NOREF#1579  -  []  251.94 205.86 90 top
NOREF#1580  -  []  329.16 296.86 0 top
NOREF#1581  -  []  369.38 257.11 0 top
NOREF#1582  -  []  167.7 165.4 90 top
NOREF#1583  -  []  448.94 292.92 90 top
NOREF#1584  -  []  309.12 154.05 0 top
NOREF#1585  -  []  272.24 244.86 90 top
NOREF#1586  -  []  352.24 184.86 90 top
NOREF#1587  -  []  400.85 297.12 0 top
NOREF#1588  -  []  378.75 224.05 90 top
NOREF#1589  -  []  272.55 181.37 0 top
NOREF#1590  -  []  251.86 252.43 90 top
NOREF#1591  -  []  495.08 257.36 90 top
NOREF#1592  -  []  272.24 249.18 90 top
NOREF#1593  -  []  209.23 232.37 90 top
NOREF#1594  -  []  331.05 265.86 90 top
NOREF#1595  -  []  201.49 165.4 90 top
NOREF#1596  -  []  238.3 224.74 90 top
NOREF#1597  -  []  182.57 158.5 90 top
NOREF#1598  -  []  315.16 290.13 90 top
NOREF#1599  -  []  392.47 272.66 90 top
NOREF#1600  -  []  263.71 288.86 0 top
NOREF#1601  -  []  244.8 288.61 0 top
NOREF#1602  -  []  272.55 249.5 0 top
NOREF#1603  -  []  393.19 287.22 90 top
NOREF#1604  -  []  409.43 139.89 0 top
NOREF#1605  -  []  343.31 164.74 0 top
NOREF#1606  -  []  415.1 163.64 0 top
NOREF#1607  -  []  118.45 231.77 0 top
NOREF#1608  -  []  265.64 280.1 0 top
NOREF#1609  -  []  400.85 265.37 0 top
NOREF#1610  -  []  278.6 147.38 0 top
NOREF#1611  -  []  310.73 183.41 0 top
NOREF#1612  -  []  463.61 179.15 0 top
NOREF#1613  -  []  319.33 243.63 90 top
NOREF#1614  -  []  230.73 189.2 0 top
NOREF#1615  -  []  398.65 249.11 0 top
NOREF#1616  -  []  201.49 178.86 90 top
NOREF#1617  -  []  330.73 205.56 0 top
NOREF#1618  -  []  229.51 249.2 0 top
NOREF#1619  -  []  118.7 188.08 0 top
NOREF#1620  -  []  330.74 164.72 0 top
NOREF#1621  -  []  450.03 225.6 0 top
NOREF#1622  -  []  394.66 258.64 90 top
NOREF#1623  -  []  94.93 190.55 0 top
NOREF#1624  -  []  240.5 288.61 0 top
NOREF#1625  -  []  385.19 241.11 0 top
NOREF#1626  -  []  217.83 234.63 90 top
NOREF#1627  -  []  330.18 182.88 0 top
NOREF#1628  -  []  330.17 165.04 90 top
NOREF#1629  -  []  201.66 240.88 90 top
NOREF#1630  -  []  247.78 140.14 0 top
NOREF#1631  -  []  465.45 276.41 90 top
NOREF#1632  -  []  417.7 154.88 0 top
NOREF#1633  -  []  200.98 260.9 90 top
NOREF#1634  -  []  410.52 289.12 0 top
NOREF#1635  -  []  166.06 257.62 90 top
NOREF#1636  -  []  397.8 163.19 90 top
NOREF#1637  -  []  405.93 240.66 90 top
NOREF#1638  -  []  167.7 219.75 90 top
NOREF#1639  -  []  301.56 250.49 0 top
NOREF#1640  -  []  312.42 146.05 0 top
NOREF#1641  -  []  184.47 192.32 90 top
NOREF#1642  -  []  327.57 264.65 90 top
NOREF#1643  -  []  412.62 241.11 0 top
NOREF#1644  -  []  237.2 296.61 0 top
NOREF#1645  -  []  177.33 160.4 90 top
NOREF#1646  -  []  411.26 209.66 90 top
NOREF#1647  -  []  253.4 205.56 0 top
NOREF#1648  -  []  302.71 132.91 90 top
NOREF#1649  -  []  461.96 166.93 0 top
NOREF#1650  -  []  201.49 146.18 0 top
NOREF#1651  -  []  473.79 234.49 90 top
NOREF#1652  -  []  167.7 134.07 90 top
NOREF#1653  -  []  167.7 242.78 90 top
NOREF#1654  -  []  184.47 149.48 90 top
NOREF#1655  -  []  165.8 212.85 90 top
NOREF#1656  -  []  318.32 131.64 0 top
NOREF#1657  -  []  184.47 241.43 0 top
NOREF#1658  -  []  230.43 248.88 90 top
NOREF#1659  -  []  373.93 297.12 0 top
NOREF#1660  -  []  167.7 159.65 90 top
NOREF#1661  -  []  336.77 165.04 90 top
NOREF#1662  -  []  379.52 171.39 0 top
NOREF#1663  -  []  250.5 288.86 0 top
NOREF#1664  -  []  419.9 240.66 90 top
NOREF#1665  -  []  386.53 181.42 90 top
NOREF#1666  -  []  268.94 272.1 0 top
NOREF#1667  -  []  390.53 180.15 0 top
NOREF#1668  -  []  342.36 225.04 90 top
NOREF#1669  -  []  223.56 173.86 90 top
NOREF#1670  -  []  495.08 277.31 90 top
NOREF#1671  -  []  230.43 253.37 90 top
NOREF#1672  -  []  66.26 273.87 90 top
NOREF#1673  -  []  199.84 162.12 90 top
NOREF#1674  -  []  242.23 233.13 0 top
NOREF#1675  -  []  167.7 200.54 0 top
NOREF#1676  -  []  254.61 204.65 90 top
NOREF#1677  -  []  221.56 171.46 0 top
NOREF#1678  -  []  167.7 258.7 90 top
NOREF#1679  -  []  306.83 209.63 90 top
NOREF#1680  -  []  420.15 131.44 90 top
NOREF#1681  -  []  380.59 239.21 0 top
NOREF#1682  -  []  293.31 272.1 0 top
NOREF#1683  -  []  251.62 265.56 0 top
NOREF#1684  -  []  298.13 274.06 0 top
NOREF#1685  -  []  277.17 288.86 0 top
NOREF#1686  -  []  465.81 179.15 0 top
NOREF#1687  -  []  192.47 222.95 90 top
NOREF#1688  -  []  299.81 213.69 90 top
NOREF#1689  -  []  340.61 286.96 90 top
NOREF#1690  -  []  310.43 247.61 0 top
NOREF#1691  -  []  192.57 187.82 90 top
NOREF#1692  -  []  223.56 185.29 90 top
NOREF#1693  -  []  352.25 242.32 90 top
NOREF#1694  -  []  230.43 246.34 90 top
NOREF#1695  -  []  329.6 163.52 90 top
NOREF#1696  -  []  302.11 240.71 0 top
NOREF#1697  -  []  327.57 205.86 90 top
NOREF#1698  -  []  339.97 204.35 90 top
NOREF#1699  -  []  182.57 240.28 90 top
NOREF#1700  -  []  485.36 257.36 90 top
NOREF#1701  -  []  182.57 240.28 0 top
NOREF#1702  -  []  232.25 211.67 90 top
NOREF#1703  -  []  201.23 227.72 90 top
NOREF#1704  -  []  419.64 256.82 90 top
NOREF#1705  -  []  331.62 204.35 90 top
NOREF#1706  -  []  352.25 184.23 0 top
NOREF#1707  -  []  263.2 172.26 90 top
NOREF#1708  -  []  271.34 183.91 0 top
NOREF#1709  -  []  119.95 195.15 0 top
NOREF#1710  -  []  263.63 165.04 90 top
NOREF#1711  -  []  306.27 156.63 90 top
NOREF#1712  -  []  373.68 249.11 0 top
NOREF#1713  -  []  343.98 288.86 0 top
NOREF#1714  -  []  96.58 195.15 0 top
NOREF#1715  -  []  318.3 163.52 90 top
NOREF#1716  -  []  220.36 248.49 0 top
NOREF#1717  -  []  385.19 281.11 0 top
NOREF#1718  -  []  380.53 217.11 0 top
NOREF#1719  -  []  418.12 289.12 0 top
NOREF#1720  -  []  353.35 288.31 90 top
NOREF#1721  -  []  396.55 257.37 0 top
NOREF#1722  -  []  402.14 146.88 0 top
NOREF#1723  -  []  252.83 205.86 90 top
NOREF#1724  -  []  330.73 264.35 90 top
NOREF#1725  -  []  246.67 288.16 90 top
NOREF#1726  -  []  301.56 179.06 0 top
NOREF#1727  -  []  461.96 174.55 0 top
NOREF#1728  -  []  339.65 264.65 90 top
NOREF#1729  -  []  199.59 216.47 90 top
NOREF#1730  -  []  112.41 214.71 0 top
NOREF#1731  -  []  351.34 243.91 0 top
NOREF#1732  -  []  119.95 187.53 0 top
NOREF#1733  -  []  397.55 209.41 90 top
NOREF#1734  -  []  317.05 288.86 0 top
NOREF#1735  -  []  167.7 190.12 90 top
NOREF#1736  -  []  397.38 180.15 90 top
NOREF#1737  -  []  257.9 186.35 90 top
NOREF#1738  -  []  263.95 224.74 90 top
NOREF#1739  -  []  310.73 187.93 0 top
NOREF#1740  -  []  333.72 205.86 90 top
NOREF#1741  -  []  392.24 199.18 90 top
NOREF#1742  -  []  304.82 146.05 0 top
NOREF#1743  -  []  167.7 233.47 90 top
NOREF#1744  -  []  300.36 188.49 0 top
NOREF#1745  -  []  272.8 145.48 90 top
NOREF#1746  -  []  416.03 179.42 90 top
NOREF#1747  -  []  352.25 189.18 90 top
NOREF#1748  -  []  396.55 257.37 0 top
NOREF#1749  -  []  182.82 189.04 90 top
NOREF#1750  -  []  229.51 243.41 0 top
NOREF#1751  -  []  334.29 265.55 0 top
NOREF#1752  -  []  375.22 180.15 0 top
NOREF#1753  -  []  110.47 178.64 0 top
NOREF#1754  -  []  252.51 265.56 0 top
NOREF#1755  -  []  348.28 296.86 0 top
NOREF#1756  -  []  341.63 195.43 90 top
NOREF#1757  -  []  223.56 245.29 90 top
NOREF#1758  -  []  199.33 212.85 0 top
NOREF#1759  -  []  249.85 164.72 0 top
NOREF#1760  -  []  412.88 131.89 0 top
NOREF#1761  -  []  259.97 264.35 90 top
NOREF#1762  -  []  250.73 265.55 0 top
NOREF#1763  -  []  384.59 179.7 90 top
NOREF#1764  -  []  306.92 154.05 0 top
NOREF#1765  -  []  322.23 233.13 90 top
NOREF#1766  -  []  412.36 209.61 90 top
NOREF#1767  -  []  311.15 219.63 90 top
NOREF#1768  -  []  229.21 186.34 0 top
NOREF#1769  -  []  312.46 131.69 90 top
NOREF#1770  -  []  368.28 297.12 0 top
NOREF#1771  -  []  393.19 222.95 90 top
NOREF#1772  -  []  248.96 164.74 0 top
NOREF#1773  -  []  239.33 243.63 90 top
NOREF#1774  -  []  175.7 162.1 90 top
NOREF#1775  -  []  424.98 146.33 90 top
NOREF#1776  -  []  218.16 188.49 0 top
NOREF#1777  -  []  388.43 180.15 0 top
NOREF#1778  -  []  175.7 257.6 90 top
NOREF#1779  -  []  313.98 131.09 90 top
NOREF#1780  -  []  310.73 189.2 0 top
NOREF#1781  -  []  379.48 255.21 90 top
NOREF#1782  -  []  201.49 146.18 90 top
NOREF#1783  -  []  286.55 288.31 90 top
NOREF#1784  -  []  511.59 276.41 90 top
NOREF#1785  -  []  404.4 257.42 90 top
NOREF#1786  -  []  201.23 233.47 90 top
NOREF#1787  -  []  215.96 177.06 0 top
NOREF#1788  -  []  351.04 244.23 0 top
NOREF#1789  -  []  224.65 211.67 0 top
NOREF#1790  -  []  201.23 219.75 90 top
NOREF#1791  -  []  341.63 173.83 90 top
NOREF#1792  -  []  395.2 281.11 0 top
NOREF#1793  -  []  310.43 186.34 90 top
NOREF#1794  -  []  165.8 199.39 90 top
NOREF#1795  -  []  481.96 273.87 90 top
NOREF#1796  -  []  101.82 290.38 90 top
NOREF#1797  -  []  283.25 147.43 90 top
NOREF#1798  -  []  182.57 185.42 0 top
NOREF#1799  -  []  314.2 145.6 90 top
NOREF#1800  -  []  106.36 190.55 0 top
NOREF#1801  -  []  392.21 131.94 90 top
NOREF#1802  -  []  175.8 147.18 90 top
NOREF#1803  -  []  312.21 131.64 0 top
NOREF#1804  -  []  331.38 163.52 90 top
NOREF#1805  -  []  381.74 249.11 0 top
NOREF#1806  -  []  261.21 286.96 0 top
NOREF#1807  -  []  346.27 135.17 90 top
NOREF#1808  -  []  413.71 178.82 90 top
NOREF#1809  -  []  273.09 288.41 90 top
NOREF#1810  -  []  194.09 187.32 90 top
NOREF#1811  -  []  331.62 205.56 0 top
NOREF#1812  -  []  246.63 142.04 0 top
NOREF#1813  -  []  390.53 163.64 0 top
NOREF#1814  -  []  209.23 236.67 90 top
NOREF#1815  -  []  194.09 228.47 90 top
NOREF#1816  -  []  398.53 178.25 90 top
NOREF#1817  -  []  299.59 288.86 90 top
NOREF#1818  -  []  274.67 286.96 0 top
NOREF#1819  -  []  343.83 231.63 90 top
NOREF#1820  -  []  248.96 164.72 0 top
NOREF#1821  -  []  184.47 173.11 90 top
NOREF#1822  -  []  201.23 219.75 90 top
NOREF#1823  -  []  460.93 182.17 90 top
NOREF#1824  -  []  322.62 139.64 0 top
NOREF#1825  -  []  390.69 273.11 0 top
NOREF#1826  -  []  337.09 164.74 90 top
NOREF#1827  -  []  167.7 217.55 90 top
NOREF#1828  -  []  331.62 265.56 0 top
NOREF#1829  -  []  311.15 159.63 90 top
NOREF#1830  -  []  294.94 296.86 0 top
NOREF#1831  -  []  412.6 161.74 0 top
NOREF#1832  -  []  450.03 234.74 0 top
NOREF#1833  -  []  366.88 222.7 0 top
NOREF#1834  -  []  107.02 179.19 0 top
NOREF#1835  -  []  352.25 245.5 0 top
NOREF#1836  -  []  250.23 132.14 0 top
NOREF#1837  -  []  352.55 243.91 0 top
NOREF#1838  -  []  256.45 164.72 0 top
NOREF#1839  -  []  399.8 207.46 90 top
NOREF#1840  -  []  209.33 187.82 90 top
NOREF#1841  -  []  182.57 171.96 0 top
NOREF#1842  -  []  226.83 269.63 90 top
NOREF#1843  -  []  272.25 184.23 0 top
NOREF#1844  -  []  263.31 224.72 0 top
NOREF#1845  -  []  262.04 164.74 0 top
NOREF#1846  -  []  331.06 165.04 90 top
NOREF#1847  -  []  230.43 193.37 0 top
NOREF#1848  -  []  250.17 223.82 90 top
NOREF#1849  -  []  465.45 273.87 90 top
NOREF#1850  -  []  256.77 165.04 90 top
NOREF#1851  -  []  237.98 165.04 90 top
NOREF#1852  -  []  230.73 186.66 0 top
NOREF#1853  -  []  253.4 265.55 0 top
NOREF#1854  -  []  118.7 222.88 0 top
NOREF#1855  -  []  461.96 174.55 0 top
NOREF#1856  -  []  392.04 241.11 90 top
NOREF#1857  -  []  172.08 275.14 90 top
NOREF#1858  -  []  419.65 256.92 90 top
NOREF#1859  -  []  262.68 164.74 90 top
NOREF#1860  -  []  391.96 131.89 0 top
NOREF#1861  -  []  302.11 129.74 0 top
NOREF#1862  -  []  167.7 145.93 90 top
NOREF#1863  -  []  175.7 236.67 90 top
NOREF#1864  -  []  373.32 181.42 90 top
NOREF#1865  -  []  351.34 249.5 0 top
NOREF#1866  -  []  168.69 292.55 90 top
NOREF#1867  -  []  221.56 242.89 0 top
NOREF#1868  -  []  400.24 202.38 90 top
NOREF#1869  -  []  334.29 264.35 90 top
NOREF#1870  -  []  315.7 296.86 0 top
NOREF#1871  -  []  406.94 131.34 90 top
NOREF#1872  -  []  247.25 205.56 0 top
NOREF#1873  -  []  352.25 182.32 90 top
NOREF#1874  -  []  167.7 136.27 90 top
NOREF#1875  -  []  270.04 280.1 0 top
NOREF#1876  -  []  415.1 163.64 0 top
NOREF#1877  -  []  192.47 162.1 90 top
NOREF#1878  -  []  165.8 254 0 top
NOREF#1879  -  []  192.47 230.17 90 top
NOREF#1880  -  []  118.99 171.65 0 top
NOREF#1881  -  []  352.24 189.18 90 top
NOREF#1882  -  []  279.7 155.38 0 top
NOREF#1883  -  []  184.47 201.89 90 top
NOREF#1884  -  []  310.73 247.93 0 top
NOREF#1885  -  []  184.47 247.18 90 top
NOREF#1886  -  []  182.57 199.39 0 top
NOREF#1887  -  []  175.7 243.88 90 top
NOREF#1888  -  []  451.68 195.91 0 top
NOREF#1889  -  []  119.95 187.53 0 top
NOREF#1890  -  []  459.28 236.14 0 top
NOREF#1891  -  []  275.28 290.13 90 top
NOREF#1892  -  []  310.43 183.09 0 top
NOREF#1893  -  []  306.27 216.63 90 top
NOREF#1894  -  []  201.23 229.07 90 top
NOREF#1895  -  []  184.47 256.5 90 top
NOREF#1896  -  []  182.82 162.12 90 top
NOREF#1897  -  []  412.79 209.06 90 top
NOREF#1898  -  []  406.19 188.15 0 top
NOREF#1899  -  []  332.83 264.65 90 top
NOREF#1900  -  []  330.49 164.74 90 top
NOREF#1901  -  []  339.89 288.41 90 top
NOREF#1902  -  []  327.57 204.65 90 top
NOREF#1903  -  []  230.43 243.09 90 top
NOREF#1904  -  []  374.88 217.11 0 top
NOREF#1905  -  []  390.34 192.28 0 top
NOREF#1906  -  []  184.47 151.68 90 top
NOREF#1907  -  []  192.47 202.99 90 top
NOREF#1908  -  []  167.7 255.15 90 top
